# Altium PCB mach PCB.PcbDoc (part 5 of 6)
Units mm, origin at the board's own origin, x right, y up, seen from the top; angles counter-clockwise.
Board outline 300.6 x 300.64 mm, 2 copper layers (Top Layer, Bottom Layer); 688 components, 737 nets, 3205 pads, 25 vias.
Unrouted connection lines stored in the file: 1.
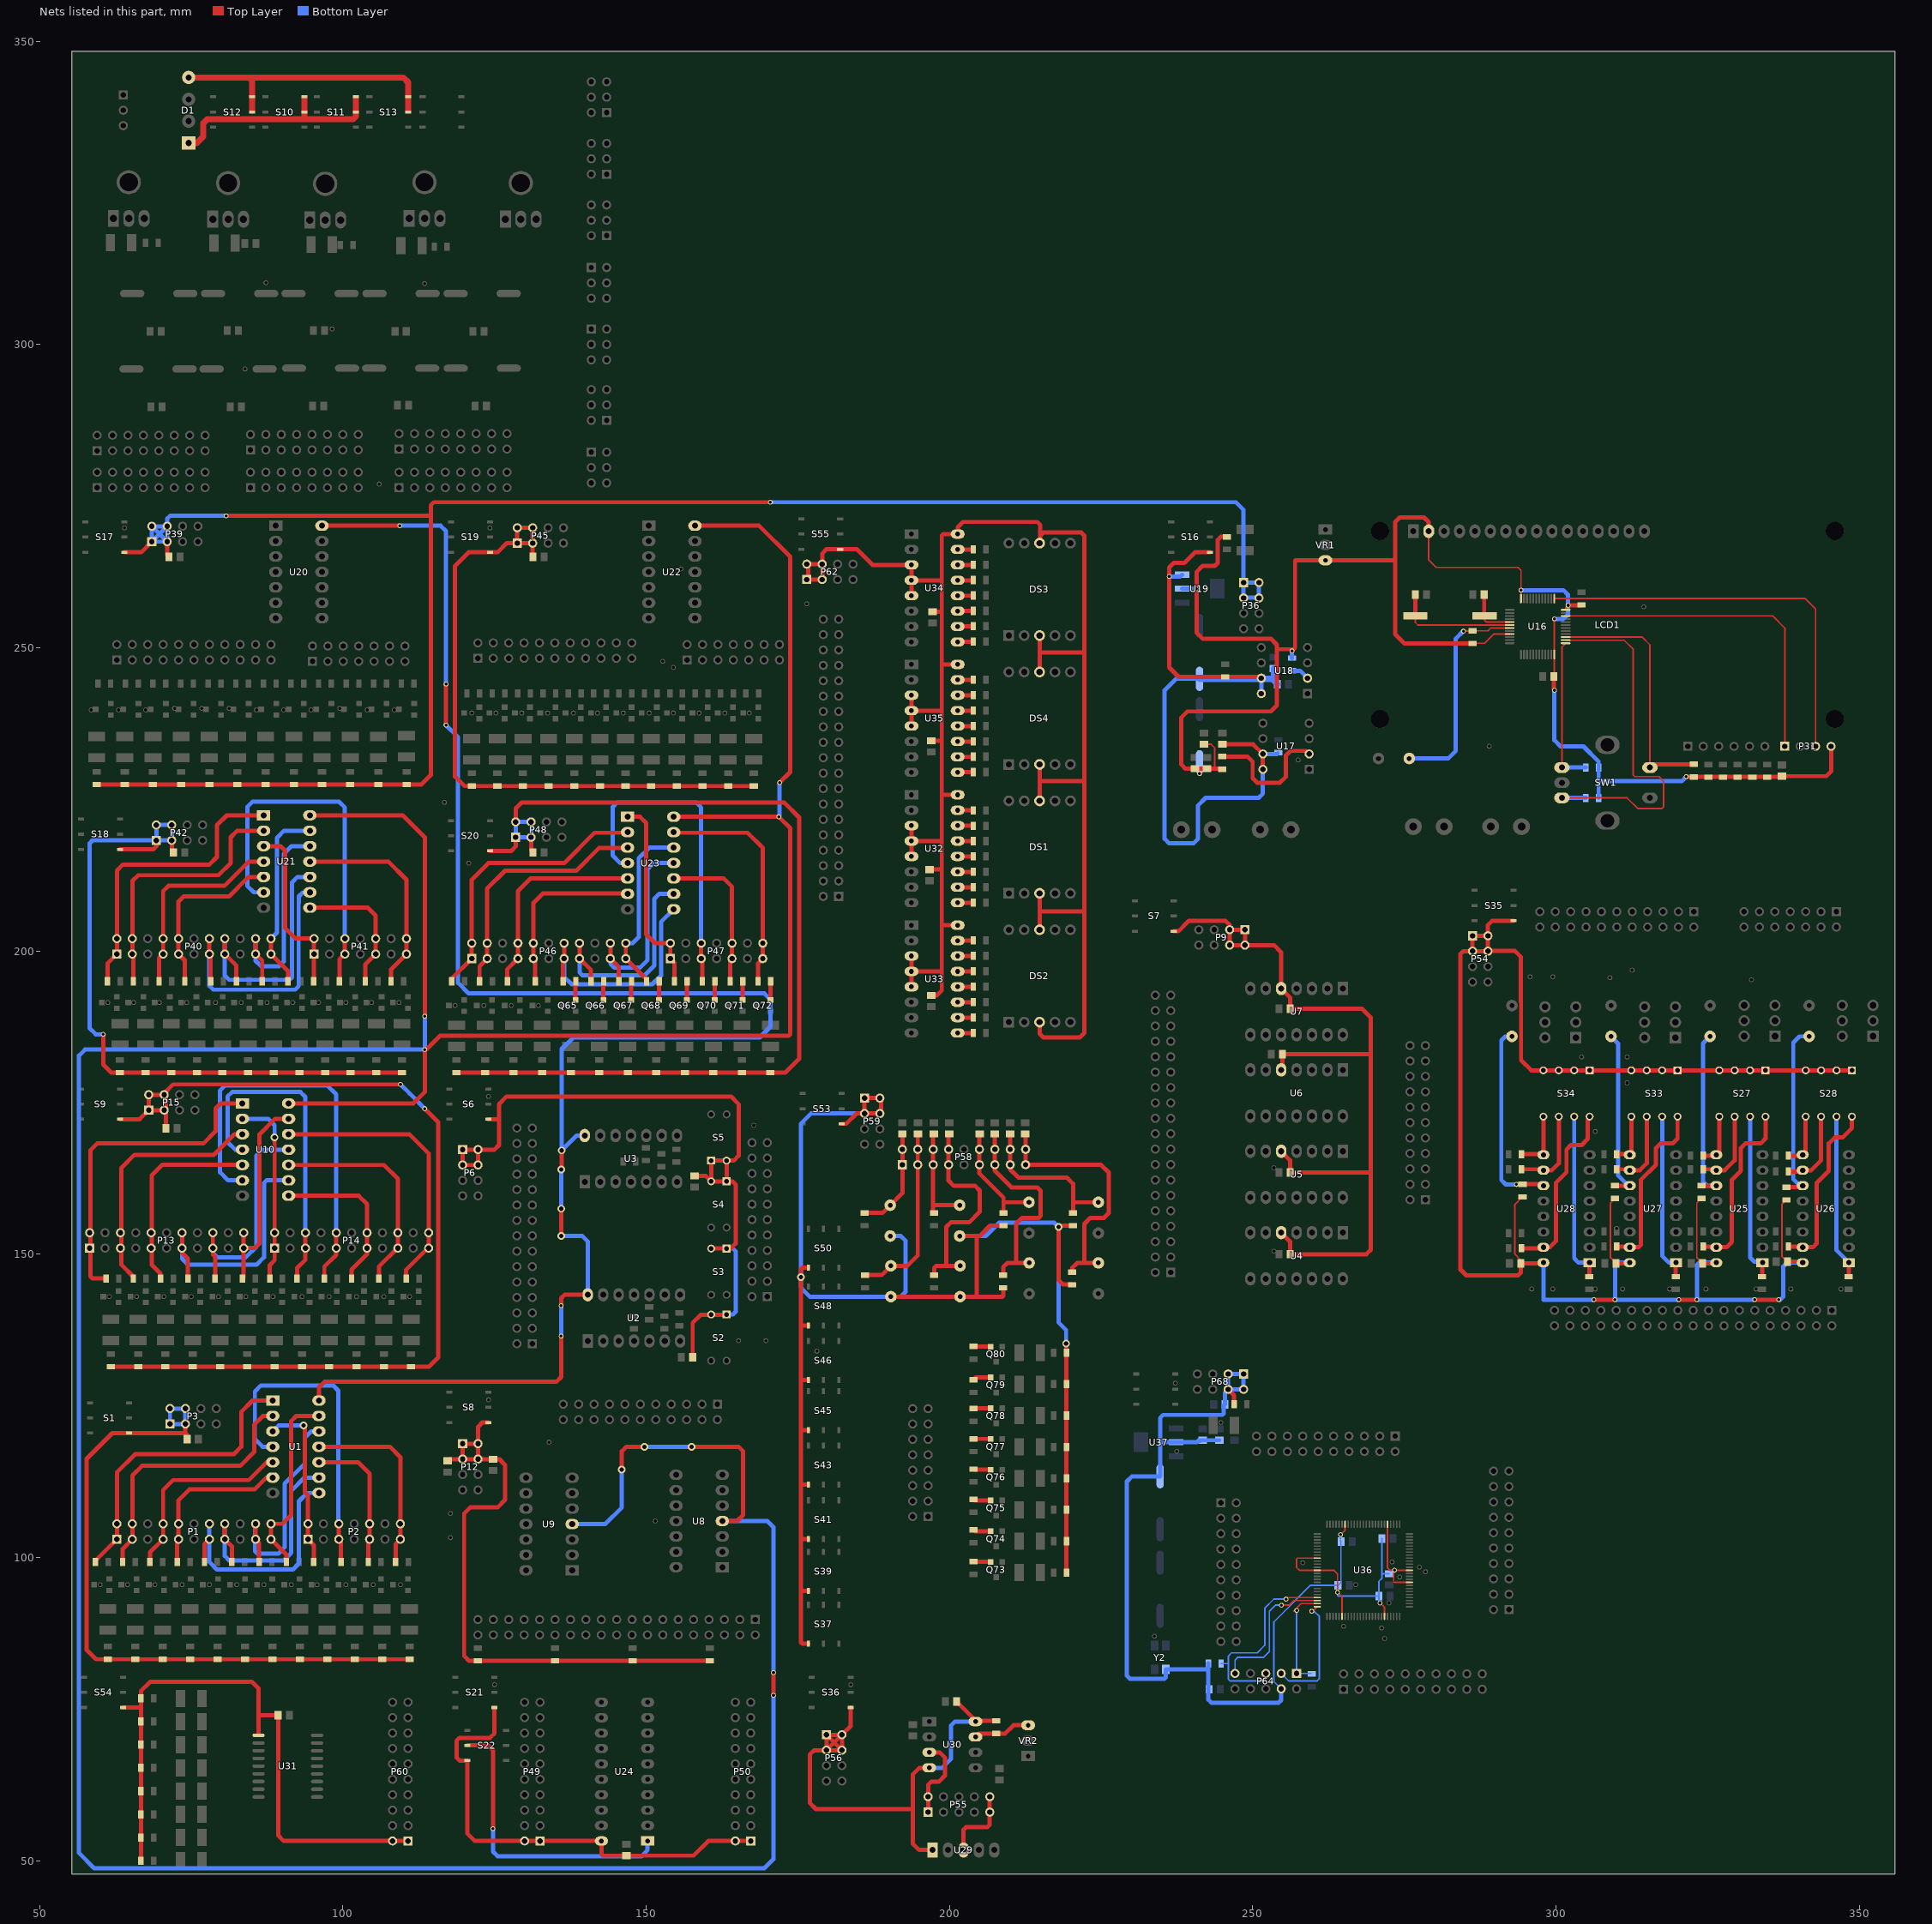
[diagram p5: the nets of this part, all layers, seen from the top]

## Via types
v1: diameter 1.27, hole 0.711, Top Layer to Bottom Layer, 25 vias

## Nets (pads, with @x,y where several pads share a name; then routed paths per layer and width w, separated by ;. In a path a pad name is that pad's centre, name@x,y a point inside that pad or via, vN(x,y) a via of type N, cw(c..) or ccw(c..) an arc to the next point about the centre after c; other vN are vias at no path point) (continued)
NetQ65_1: Q65.1 R164.1 | length 3.1
  Top Layer w0.7: Q65.1@138.364,191.95 138.364,194.95 R164.1@138.414,195
NetQ66_1: Q66.1 R165.1 | length 3.1
  Top Layer w0.7: Q66.1@142.955,191.95 142.955,194.95 R165.1@143.005,195
NetQ67_1: Q67.1 R166.1 | length 3.1
  Top Layer w0.7: Q67.1@147.545,191.95 147.545,194.95 R166.1@147.595,195
NetQ68_1: Q68.1 R167.1 | length 3.1
  Top Layer w0.7: Q68.1@152.136,191.95 152.136,194.95 R167.1@152.186,195
NetQ69_1: Q69.1 R172.1 | length 3.1
  Top Layer w0.7: Q69.1@156.727,191.95 156.727,194.95 R172.1@156.777,195
NetQ70_1: Q70.1 R173.1 | length 3.1
  Top Layer w0.7: Q70.1@161.318,191.95 161.318,194.95 R173.1@161.368,195
NetQ71_1: Q71.1 R174.1 | length 3.1
  Top Layer w0.7: Q71.1@165.909,191.95 165.909,194.95 R174.1@165.959,195
NetQ72_1: Q72.1 R175.1 | length 3.1
  Top Layer w0.7: Q72.1@170.5,191.95 170.5,194.95 R175.1@170.55,195
NetQ73_1: Q73.1 R213.1 | length 2.8
  Top Layer w0.7: R213.1@204,99.3 206.75,99.3 Q73.1@206.8,99.25
NetQ74_1: Q74.1 R214.1 | length 2.9
  Top Layer w0.7: R214.1@204,104.55 204.229,104.321 Q74.1@206.8,104.321
NetQ75_1: Q75.1 R215.1 | length 2.9
  Top Layer w0.7: R215.1@204,109.55 204.157,109.393 Q75.1@206.8,109.393
NetQ76_1: Q76.1 R216.1 | length 2.8
  Top Layer w0.7: R216.1@204,114.55 204.086,114.464 Q76.1@206.8,114.464
NetQ77_1: Q77.1 R221.1 | length 2.8
  Top Layer w0.7: R221.1@204,119.55 204.014,119.536 Q77.1@206.8,119.536
NetQ78_1: Q78.1 R222.1 | length 2.8
  Top Layer w0.7: R222.1@204,124.55 204.057,124.607 Q78.1@206.8,124.607
NetQ79_1: Q79.1 R223.1 | length 3
  Top Layer w0.7: R223.1@204,129.3 204.379,129.679 Q79.1@206.8,129.679
NetQ80_1: Q80.1 R224.1 | length 2.8
  Top Layer w0.7: R224.1@204,134.8 204.05,134.75 Q80.1@206.8,134.75
NetR26_2: R26.2 U17.2 | length 21.4
  Top Layer w0.7: R26.2@245,232.075 249.175,232.075 250,231.25 250,228.5 250.75,227.75 254.5,227.75 255.5,228.75 255.5,232.25 256.25,233 U17.2@258.79,233
NetR29_2: R29.2 U18.2 | length 3.1
  Bottom Layer w0.7: R29.2@256.5,246.2 257.84,246.2 U18.2@259.06,244.98
NetR176_1: R176.1 S25.2 U25.11 | length 29.3
  Top Layer w0.7: R176.1@324,161.3 326.439,161.3 U25.11@326.442,161.303
  Bottom Layer w0.7: S25.2@325.417,185.92 324.25,184.753 324.25,162 324.947,161.303 U25.11@326.442,161.303
NetR177_1: R177.1 S26.2 U26.11 | length 30.4
  Top Layer w0.7: R177.1@338,161.05 340.439,161.05 U26.11@340.692,161.303
  Bottom Layer w0.7: U26.11@340.692,161.303 340.197,161.303 339.142,162.358 339.142,184.892 340.17,185.92 S26.2@341.75,185.92
NetR178_2: R178.2 S27.8 U25.15 | length 29.4
  Top Layer w0.7: R178.2@324.5,151.25 326.334,151.25 U25.15@326.442,151.143 328.143,151.143 329,152 329,162.25 330.5,163.75 330.5,167.5 331.25,168.25 333.75,168.25 334.56,169.06 S27.8@334.56,172.69
NetR179_2: R179.2 S27.7 U25.1 | length 27.9
  Top Layer w0.7: R179.2@334,146.3 334,148.541 U25.1@334.062,148.603
  Bottom Layer w0.7: S27.7@332.02,172.69 332.02,149.48 332.75,148.75 333.914,148.75 U25.1@334.062,148.603
NetR180_2: R180.2 S27.6 U25.10 | length 12.9
  Top Layer w0.7: R180.2@324.5,164 326.284,164 U25.10@326.442,163.843 327.843,163.843 329.48,165.48 S27.6@329.48,172.69
NetR181_2: R181.2 S27.5 U25.9 | length 8.7
  Top Layer w0.7: R181.2@324.275,166.25 326.309,166.25 U25.9@326.442,166.383 326.94,166.881 S27.5@326.94,172.69
NetR183_2: R183.2 S28.8 U26.15 | length 29.1
  Top Layer w0.7: R183.2@338.325,151.27 340.564,151.27 U26.15@340.692,151.143 342.393,151.143 343,151.75 343,161.75 345,163.75 345,168.25 346,169.25 347.25,169.25 348.81,170.81 S28.8@348.81,172.69
NetR184_2: R184.2 S28.7 U26.1 | length 27.3
  Top Layer w0.254: R184.2@348.25,146.3 R184.2@348.25,146.5
  Top Layer w0.7: R184.2@348.25,146.5 348.312,146.562 U26.1@348.312,148.603
  Bottom Layer w0.7: S28.7@346.27,172.69 346.27,150.644 U26.1@348.312,148.603
NetR185_2: R185.2 S28.6 U26.10 | length 13.4
  Top Layer w0.7: R185.2@338.325,163.625 340.474,163.625 U26.10@340.692,163.843 342.093,163.843 343.73,165.48 S28.6@343.73,172.69
NetR186_2: R186.2 S28.5 U26.9 | length 8.9
  Top Layer w0.7: R186.2@338.325,166.25 340.559,166.25 U26.9@340.692,166.383 341.19,166.881 S28.5@341.19,172.69
NetR188_1: R188.1 S31.2 U27.11 | length 28.5
  Top Layer w0.7: R188.1@309.75,161.3 312.189,161.3 U27.11@312.192,161.303
  Bottom Layer w0.7: S31.2@309.083,185.92 310.25,184.753 310.25,163 311.947,161.303 U27.11@312.192,161.303
NetR189_1: pad.11@293.5,161.5 R189.1 S32.2 U28.11 | length 31.4
  Top Layer w0.7: R189.1@294.5,161.55 297.694,161.55 U28.11@297.942,161.303
  Bottom Layer w0.7: S32.2@292.75,185.92 291.67,185.92 291,185.25 291,162.25 291.75,161.5 pad.11@293.5,161.5
NetR190_2: R190.2 S33.8 U27.15 | length 29
  Top Layer w0.7: R190.2@310.05,151.25 312.084,151.25 U27.15@312.192,151.143 313.643,151.143 314,151.5 314,162.25 316.5,164.75 316.5,167.5 317.25,168.25 319.25,168.25 320.06,169.06 S33.8@320.06,172.69
NetR191_2: R191.2 S33.7 U27.1 | length 28
  Top Layer w0.7: R191.2@319.75,146.3 319.75,148.541 U27.1@319.812,148.603
  Bottom Layer w0.7: S33.7@317.52,172.69 317.52,149.73 318.647,148.603 U27.1@319.812,148.603
NetR192_2: R192.2 S33.6 U27.10 | length 13.2
  Top Layer w0.7: R192.2@310.025,164 312.034,164 U27.10@312.192,163.843 313.843,163.843 314.98,164.98 S33.6@314.98,172.69
NetR193_2: R193.2 S33.5 U27.9 | length 8.6
  Top Layer w0.7: R193.2@310.025,166.5 312.074,166.5 U27.9@312.192,166.383 312.44,166.631 S33.5@312.44,172.69
NetR195_2: R195.2 S34.8 U28.15 | length 29.6
  Top Layer w0.7: R195.2@294.525,150.98 297.779,150.98 U28.15@297.942,151.143 299,151.143 300,152.143 300,161.75 301.75,163.5 301.75,167.25 302.5,168 304.25,168 305.25,169 305.25,172.13 S34.8@305.56,172.44
NetR196_2: R196.2 S34.7 U28.1 | length 28.6
  Top Layer w0.7: S34.7@303.02,172.69 S34.7@303.02,173.02 ; R196.2@305.5,146.3 305.5,148.541 U28.1@305.562,148.603
  Bottom Layer w0.7: S34.7@303.02,172.44 303.02,149.333 303.75,148.603 U28.1@305.562,148.603
NetR197_2: R197.2 S34.6 U28.10 | length 14.2
  Top Layer w0.7: R197.2@294.3,164 297.784,164 U28.10@297.942,163.843 299.343,163.843 300.48,164.98 S34.6@300.48,172.44
NetR198_2: R198.2 S34.5 U28.9 | length 9.7
  Top Layer w0.7: R198.2@294.3,166.5 297.824,166.5 U28.9@297.94,166.384 ; S34.5@297.94,172.44 U28.9@297.94,166.384 ; U28.9@297.942,166.383 U28.9@297.94,166.384
NetR200_1: R200.1 U30.7 VR2.3 | length 9.5
  Top Layer w0.7: U30.7@204.31,70.393 204.867,70.95 R200.1@207.75,70.95 209.2,70.95 210.58,72.33 VR2.3@213,72.33
NetR233_1: R233.1 U32.13 | length 2.6
  Top Layer w0.7: U32.13@201.37,218.13 203.94,218.13 R233.1@203.95,218.12
NetR234_1: R234.1 U33.13 | length 2.6
  Top Layer w0.7: U33.13@201.37,196.63 203.913,196.63 R234.1@203.95,196.667
NetR235_1: R235.1 U32.12 | length 2.6
  Top Layer w0.7: U32.12@201.37,215.59 R235.1@203.95,215.59
NetR236_1: R236.1 U33.12 | length 2.6
  Top Layer w0.7: U33.12@201.37,194.09 203.915,194.09 R236.1@203.95,194.125
NetR237_1: R237.1 U32.11 | length 2.6
  Top Layer w0.7: U32.11@201.37,213.05 203.94,213.05 R237.1@203.95,213.06
NetR238_1: R238.1 U33.11 | length 2.6
  Top Layer w0.7: U33.11@201.37,191.55 203.917,191.55 R238.1@203.95,191.583
NetR239_1: R239.1 U32.10 | length 2.6
  Top Layer w0.7: U32.10@201.37,210.51 203.93,210.51 R239.1@203.95,210.53
NetR240_1: R240.1 U33.10 | length 2.6
  Top Layer w0.7: U33.10@201.37,189.01 203.918,189.01 R240.1@203.95,189.042
NetR241_1: R241.1 U32.9 | length 2.6
  Top Layer w0.7: U32.9@201.37,207.97 203.92,207.97 R241.1@203.95,208
NetR242_1: R242.1 U33.9 | length 2.6
  Top Layer w0.7: U33.9@201.37,186.47 203.92,186.47 R242.1@203.95,186.5
NetR243_1: R243.1 U32.15 | length 2.6
  Top Layer w0.7: U32.15@201.37,223.21 203.92,223.21 R243.1@203.95,223.18
NetR244_1: R244.1 U33.15 | length 2.6
  Top Layer w0.7: U33.15@201.37,201.71 203.91,201.71 R244.1@203.95,201.75
NetR245_1: R245.1 U32.14 | length 2.6
  Top Layer w0.7: U32.14@201.37,220.67 203.93,220.67 R245.1@203.95,220.65
NetR246_1: R246.1 U33.14 | length 2.6
  Top Layer w0.7: U33.14@201.37,199.17 203.912,199.17 R246.1@203.95,199.208
NetR247_1: R247.1 U34.13 | length 2.6
  Top Layer w0.7: U34.13@201.37,261.13 203.913,261.13 R247.1@203.95,261.167
NetR248_1: R248.1 U35.13 | length 2.6
  Top Layer w0.7: U35.13@201.37,239.63 203.913,239.63 R248.1@203.95,239.667
NetR249_1: R249.1 U34.12 | length 2.6
  Top Layer w0.7: U34.12@201.37,258.59 203.915,258.59 R249.1@203.95,258.625
NetR250_1: R250.1 U35.12 | length 2.6
  Top Layer w0.7: U35.12@201.37,237.09 203.915,237.09 R250.1@203.95,237.125
NetR251_1: R251.1 U34.11 | length 2.6
  Top Layer w0.7: U34.11@201.37,256.05 203.917,256.05 R251.1@203.95,256.083
NetR252_1: R252.1 U35.11 | length 2.6
  Top Layer w0.7: U35.11@201.37,234.55 203.917,234.55 R252.1@203.95,234.583
NetR253_1: R253.1 U34.10 | length 2.6
  Top Layer w0.7: U34.10@201.37,253.51 203.918,253.51 R253.1@203.95,253.542
NetR254_1: R254.1 U35.10 | length 2.6
  Top Layer w0.7: U35.10@201.37,232.01 203.918,232.01 R254.1@203.95,232.042
NetR255_1: R255.1 U34.9 | length 2.6
  Top Layer w0.7: U34.9@201.37,250.97 203.92,250.97 R255.1@203.95,251
NetR256_1: R256.1 U35.9 | length 2.6
  Top Layer w0.7: U35.9@201.37,229.47 203.92,229.47 R256.1@203.95,229.5
NetR257_1: R257.1 U34.15 | length 2.6
  Top Layer w0.7: U34.15@201.37,266.21 203.91,266.21 R257.1@203.95,266.25
NetR258_1: R258.1 U35.15 | length 2.6
  Top Layer w0.7: U35.15@201.37,244.71 203.91,244.71 R258.1@203.95,244.75
NetR259_1: R259.1 U34.14 | length 2.6
  Top Layer w0.7: U34.14@201.37,263.67 203.912,263.67 R259.1@203.95,263.708
NetR260_1: R260.1 U35.14 | length 2.6
  Top Layer w0.7: U35.14@201.37,242.17 203.912,242.17 R260.1@203.95,242.208
NetS22_2: pad.37@124.75,55.25 S22.2 U24.1 | length 49
  Top Layer w0.7: S22.2@120.504,69 124,69 124.75,68.25 pad.37@124.75,55.25
  Bottom Layer w0.7: pad.37@124.75,55.25 124.75,51.5 125.5,50.75 149.25,50.75 150.25,51.75 U24.1@150.25,53.25
NORI1: P46.1 P46.2 R156.2 U23.2 | length 46.8
  Top Layer w0.7: R156.2@117.95,195 117.95,195.45 P46.1@121.25,198.75 P46.2@121.25,201.29 121.25,211.75 124,214.5 136.5,214.5 141.5,219.5 U23.2@146.69,219.5
NORI2: P46.3 P46.4 R157.2 U23.3 | length 41.5
  Top Layer w0.7: R157.2@122.541,195 122.541,197.48 123.79,198.729 P46.3@123.79,198.75 P46.4@123.79,201.29 123.79,210.29 126.75,213.25 138.5,213.25 142.25,217 U23.3@146.69,217
NORI3: P46.7 P46.8 R158.2 U23.5 | length 34.3
  Top Layer w0.7: R158.2@127.132,195 127.132,197.012 P46.7@128.87,198.75 P46.8@128.87,201.29 128.87,209.87 131,212 U23.5@146.69,212
NORI4: P46.9 P46.10 R159.2 U23.6 | length 29.1
  Top Layer w0.7: R159.2@131.723,195 131.723,198.437 P46.9@131.41,198.75 P46.10@131.41,201.29 131.41,207.91 133,209.5 146.44,209.5 U23.6@146.69,209.25
NORI5: P46.13 P46.14 R164.2 U23.8 | length 38.2
  Top Layer w0.7: R164.2@136.314,195 136.314,198.574 P46.13@136.49,198.75 P46.14@136.49,201.29
  Bottom Layer w0.7: P46.13@136.49,198.75 136.49,195.76 137.75,194.5 151,194.5 152.45,195.95 152.45,204.77 U23.8@154.56,206.88
NORI6: P46.15 P46.16 R165.2 U23.9 | length 37.1
  Top Layer w0.7: P46.16@139.03,201.29 P46.15@139.03,198.75 140.905,196.875 R165.2@140.905,195
  Bottom Layer w0.7: P46.15@139.03,198.75 139.03,196.47 139.5,196 149.75,196 151.35,197.6 151.35,208.6 152.17,209.42 U23.9@154.56,209.42
NORI7: P46.19 P46.20 R166.2 U23.11 | length 34.4
  Top Layer w0.7: P46.20@144.11,201.29 P46.19@144.11,198.75 145.495,197.365 R166.2@145.495,195
  Bottom Layer w0.7: P46.19@144.11,198.75 144.11,197.89 144.75,197.25 149,197.25 150.25,198.5 150.25,213.5 151.25,214.5 U23.11@154.56,214.5
NORI8: P46.21 P46.22 R167.2 U23.12 | length 30.4
  Top Layer w0.7: P46.22@146.65,201.29 P46.21@146.65,198.75 150.086,195.314 R167.2@150.086,195
  Bottom Layer w0.7: P46.22@147.29,201.29 P46.22@146.65,201.29 147.79,201.29 148.79,202.29 148.79,215.29 150.54,217.04 U23.12@154.56,217.04
NORO1: P47.1 P47.2 R172.2 U23.1 | length 33
  Top Layer w0.7: U23.1@146.94,222.12 149,222.12 150,221.12 150,202.75 151.46,201.29 P47.2@154,201.29 P47.1@154,198.75 154.677,198.073 R172.2@154.677,195
NORO2: P47.5 P47.6 R173.2 U23.4 | length 54.9
  Top Layer w0.7: P47.6@159.08,201.29 P47.5@159.08,198.75 159.268,198.562 R173.2@159.268,195
  Bottom Layer w0.7: U23.4@146.94,214.5 145.75,214.5 144.5,215.75 144.5,223.75 145.25,224.5 158.25,224.5 159.08,223.67 P47.6@159.08,201.29
NORO3: P47.9 P47.10 R174.2 U23.10 | length 26.1
  Top Layer w0.7: U23.10@154.31,212 162.75,212 164.16,210.59 P47.10@164.16,201.29 P47.9@164.16,198.75 163.859,198.449 R174.2@163.859,195
NORO4: P47.13 P47.14 R175.2 U23.13 | length 38.3
  Top Layer w0.7: U23.13@154.31,219.5 166.75,219.5 169.24,217.01 P47.14@169.24,201.29 P47.13@169.24,198.75 168.45,197.96 R175.2@168.45,195
NOTI1: P13.1 P13.2 R86.2 U10.1 | length 54
  Top Layer w0.7: R86.2@60.95,146 58.75,146 58.375,146.375 58.375,167.125 59.5,168.25 77,168.25 79,170.25 79,174 79.87,174.87 U10.1@83.44,174.87
NOTI2: P13.5 P13.6 R87.2 U10.3 | length 41.3
  Top Layer w0.7: R87.2@65.45,146 65.45,146.3 63.5,148.25 63.5,164.25 65.65,166.4 78.75,166.4 82.14,169.79 U10.3@83.44,169.79
NOTI3: P13.9 P13.10 R88.2 U10.5 | length 33.3
  Top Layer w0.7: R88.2@69.95,146 69.95,146.8 68.5,148.25 68.5,163 70.25,164.75 U10.5@83.44,164.75
NOTI4: P13.13 P13.14 R89.2 U10.9 | length 40.6
  Top Layer w0.7: P13.14@73.49,153.54 P13.13@73.49,151 73.49,150.26 74.45,149.3 R89.2@74.45,146
  Bottom Layer w0.7: P13.13@73.49,151 73.49,149.26 74.5,148.25 85.75,148.25 87,149.5 87,161.75 87.42,162.17 U10.9@91.06,162.17
NOTI5: P13.17 P13.18 R90.2 U10.11 | length 37.4
  Top Layer w0.7: P13.18@78.57,153.54 P13.17@78.57,151 78.57,149.93 78.95,149.55 R90.2@78.95,146
  Bottom Layer w0.7: P13.17@78.57,151 78.57,150.18 79.25,149.5 84,149.5 85.75,151.25 85.75,166.25 86.75,167.25 U10.11@91.06,167.25
NOTI6: P13.21 P13.22 R91.2 U10.13 | length 34.4
  Top Layer w0.7: R91.2@83.45,146 83.65,146.2 P13.21@83.65,151 ; P13.22@83.65,153.54 P13.21@83.65,151 ; U10.13@91.06,172.33 88.83,172.33 86.25,169.75 86.25,151.75 85.5,151 P13.21@83.65,151
NOTO1: P14.1 P14.2 R98.2 U10.2 | length 31.3
  Top Layer w0.7: R98.2@87.95,146 87.95,148.2 88.75,149 P14.1@88.75,151 P14.2@88.75,153.54 v1(88.75,169.25)
  Bottom Layer w0.7: U10.2@83.44,172.33 87.67,172.33 88.75,171.25 v1(88.75,169.25)
NOTO2: P14.5 P14.6 R99.2 U10.4 | length 54.4
  Top Layer w0.7: R99.2@92.45,146 92.45,147.7 93.83,149.08 P14.5@93.83,151 P14.6@93.83,153.54
  Bottom Layer w0.7: U10.4@83.44,167.25 82.25,167.25 81,168.5 81,176 81.75,176.75 93,176.75 93.83,175.92 P14.6@93.83,153.54
NOTO3: P14.9 P14.10 R100.2 U10.6 | length 69
  Top Layer w0.7: R100.2@96.95,146 96.95,147.95 98.91,149.91 P14.9@98.91,151 P14.10@98.91,153.54
  Bottom Layer w0.7: U10.6@83.44,162.17 81.08,162.17 79.75,163.5 79.75,177 80.6,177.85 97.4,177.85 98.91,176.34 P14.10@98.91,153.54
NOTO4: P14.13 P14.14 R101.2 U10.8 | length 26.8
  Top Layer w0.7: U10.8@91.06,159.63 102.62,159.63 103.99,158.26 P14.14@103.99,153.54 P14.13@103.99,151 103.99,149.99 101.45,147.45 R101.2@101.45,146
NOTO5: P14.17 P14.18 R102.2 U10.10 | length 36.7
  Top Layer w0.7: U10.10@91.06,164.71 106.79,164.71 109.07,162.43 P14.18@109.07,153.54 109.07,151.07 105.95,147.95 R102.2@105.95,146
NOTO6: P14.21 P14.22 R103.2 U10.12 | length 46.5
  Top Layer w0.7: U10.12@91.06,169.79 110.96,169.79 114.15,166.6 P14.22@114.15,153.54 114.15,151.15 110.45,147.45 R103.2@110.45,146
ORI1: P40.1 P40.2 R60.2 U21.1 | length 49.9
  Top Layer w0.7: R60.2@61.2,195 61.2,197.95 P40.1@62.75,199.5 P40.2@62.75,202.04 62.75,213.25 63.75,214.25 78,214.25 79.25,215.5 79.25,220.75 80.87,222.37 U21.1@86.94,222.37
ORI2: P40.3 P40.4 R61.2 U21.2 | length 44.2
  Top Layer w0.7: R61.2@65.45,195 65.45,199.34 P40.3@65.29,199.5 P40.4@65.29,202.04 65.29,211.54 66.25,212.5 79.5,212.5 81.5,214.5 81.5,218.75 82.58,219.83 U21.2@86.94,219.83
ORI3: P40.7 P40.8 R62.2 U21.4 | length 33.7
  Top Layer w0.7: R62.2@69.7,195 69.7,198.83 P40.7@70.37,199.5 P40.8@70.37,202.04 70.37,209.87 71.25,210.75 80.5,210.75 84.5,214.75 U21.4@86.94,214.75
ORI4: P40.9 P40.10 R63.2 U21.5 | length 29.3
  Top Layer w0.7: R63.2@73.95,195 73.95,198.46 P40.9@72.91,199.5 P40.10@72.91,202.04 72.91,208.16 73.75,209 81.25,209 84.46,212.21 U21.5@86.94,212.21
ORI5: P40.13 P40.14 R68.2 U21.9 | length 44.5
  Top Layer w0.7: P40.14@77.99,202.04 P40.13@77.99,199.5 78.2,199.29 R68.2@78.2,195
  Bottom Layer w0.7: P40.13@77.99,199.5 78,199.49 78,194.25 78.625,193.625 92.125,193.625 92.71,194.21 92.71,207.793 92.75,207.833 92.75,209 93.42,209.67 U21.9@94.56,209.67
ORI6: P40.15 P40.16 R69.2 U21.10 | length 44.5
  Top Layer w0.7: P40.16@80.53,202.04 P40.15@80.53,199.5 82.45,197.58 R69.2@82.45,195
  Bottom Layer w0.7: P40.16@80.53,202.04 80.5,202.01 80.5,196 81.25,195.25 91.25,195.25 91.61,195.61 91.61,211.32 92.5,212.21 U21.10@94.56,212.21
ORI7: P40.19 P40.20 R70.2 U21.12 | length 39.1
  Top Layer w0.7: P40.20@85.61,202.04 P40.19@85.61,199.5 86.7,198.41 R70.2@86.7,195
  Bottom Layer w0.7: P40.20@85.61,202.04 P40.19@85.61,199.5 85.61,198.39 86.5,197.5 89.5,197.5 90.25,198.25 90.25,216 91.54,217.29 U21.12@94.56,217.29
ORI8: P40.21 P40.22 R71.2 U21.13 | length 31.1
  Top Layer w0.7: P40.22@88.15,202.04 P40.21@88.15,199.5 90.95,196.7 R71.2@90.95,195
  Bottom Layer w0.7: P40.22@88.15,202.04 89.15,203.04 89.15,218.65 90.33,219.83 U21.13@94.56,219.83
ORO1: P41.1 P41.2 R76.2 U21.3 | length 29.2
  Top Layer w0.7: U21.3@86.94,217.29 89.71,217.29 90.5,216.5 90.5,203.75 92.21,202.04 P41.2@95.25,202.04 P41.1@95.25,199.5 95.2,199.45 R76.2@95.2,195
ORO2: P41.5 P41.6 R77.2 U21.6 | length 62
  Top Layer w0.7: R77.2@99.45,195 99.45,198.62 P41.5@100.33,199.5 P41.6@100.33,202.04
  Bottom Layer w0.7: U21.6@86.94,209.67 85.33,209.67 84.25,210.75 84.25,223.75 85.1,224.6 99.4,224.6 100.33,223.67 P41.6@100.33,202.04
ORO3: P41.9 P41.10 R78.2 U21.8 | length 22.9
  Top Layer w0.7: U21.8@94.56,207.13 104.12,207.13 105.41,205.84 P41.10@105.41,202.04 P41.9@105.41,199.5 103.7,197.79 R78.2@103.7,195
ORO4: P41.13 P41.14 R79.2 U21.11 | length 35
  Top Layer w0.7: U21.11@94.56,214.75 107.5,214.75 110.49,211.76 P41.14@110.49,202.04 P41.13@110.49,199.5 107.95,196.96 R79.2@107.95,195
"PHASE 1": R19.1 SW1.1 U16.25 | length 24.7
  Top Layer w0.254: SW1.1@301,230.25 301,250.134 U16.25@301.616,250.75
  Bottom Layer w0.7: SW1.1@301,230.25 R19.1@304.95,230.25
"PHASE 2": R18.1 SW1.3 U16.26 | length 63.7
  Top Layer w0.254: SW1.3@301,225.25 311.75,225.25 313.5,223.5 317.5,223.5 317.75,223.75 317.75,228 317,228.75 313,228.75 312.75,229 312.75,249.75 311.25,251.25 U16.26@301.616,251.25
  Bottom Layer w0.7: SW1.3@301,225.25 R18.1@304.95,225.25
RST: pad.69 R28.1 S15.2 U16.7 | length 36.3
  Top Layer w0.254: pad.69@284.75,252.75 286.2,252.75 R28.1@286.25,252.8 288.8,252.8 289.25,253.25 U16.7@292.384,253.25
  Bottom Layer w0.7: S15.2@275.83,231.75 282.25,231.75 283.5,233 283.5,251.5 pad.69@284.75,252.75
SW: R20.1 SW1.5 U16.27 | length 42.1
  Top Layer w0.254: U16.27@301.616,251.75 314.25,251.75 315.5,250.5 SW1.5@315.5,230.25
  Top Layer w0.7: SW1.5@315.5,230.25 316.05,230.8 R20.1@322.75,230.8
SW0: C55.2 P58.1 P58.2 R201.2 S38.2 | length 17.4
  Top Layer w0.7: R201.2@186,156.8 188.97,156.8 S38.2@190.25,158.08 192.25,160.08 P58.1@192.25,164.75 P58.2@192.25,167.29 C55.2@192.25,169.825
SW1: C56.2 P58.3 P58.4 R202.2 S40.2 | length 30.1
  Top Layer w0.7: R202.2@186.107,146.55 188.827,146.55 S40.2@190.357,148.08 193.08,148.08 194.79,149.79 P58.3@194.79,164.75 P58.4@194.79,167.29 194.79,169.782 C56.2@194.833,169.825
SW2: C57.2 P58.5 P58.6 R203.2 S42.2 | length 17.5
  Top Layer w0.7: C57.2@197.417,169.825 197.33,169.738 P58.6@197.33,167.29 P58.5@197.33,164.75 197.33,158.25 ; R203.2@197.464,156.8 197.33,156.934 197.33,158.25 ; S42.2@201.69,158.08 197.5,158.08 197.33,158.25
SW3: C58.2 P58.7 P58.8 R204.2 S44.2 | length 35.6
  Top Layer w0.7: R204.2@197.488,146.55 197.488,147.738 197.83,148.08 199.5,148.08 ; C58.2@200,169.825 199.87,169.695 P58.8@199.87,167.29 P58.7@199.87,164.75 199.87,162.13 200.75,161.25 204.25,161.25 205,160.5 205,157 203.25,155.25 200.25,155.25 199.5,154.5 199.5,148.08 ; S44.2@201.762,148.08 199.5,148.08
SW4: C59.2 P58.11 P58.12 R205.1 S47.1 | length 19
  Top Layer w0.7: C59.2@205,169.825 204.95,169.775 P58.12@204.95,167.29 P58.11@204.95,164.75 204.95,163.3 208.929,159.321 208.929,158.75 ; R205.1@208.929,156.8 208.929,158.75 ; S47.1@213.131,158.563 209.115,158.563 208.929,158.75
SW5: C60.2 P58.13 P58.14 R206.1 S49.1 | length 36.2
  Top Layer w0.7: C60.2@207.5,169.825 207.49,169.815 P58.14@207.49,167.29 P58.13@207.49,164.75 207.49,163.76 210.25,161 214.5,161 215.051,160.449 215.051,156.301 214.75,156 212,156 211,155 211,148.75 211.187,148.563 ; R206.1@208.869,146.55 208.869,147.869 209.563,148.563 211.187,148.563 ; S49.1@213.167,148.563 211.187,148.563